# KiCad board sizif128.kicad_pcb (continued)
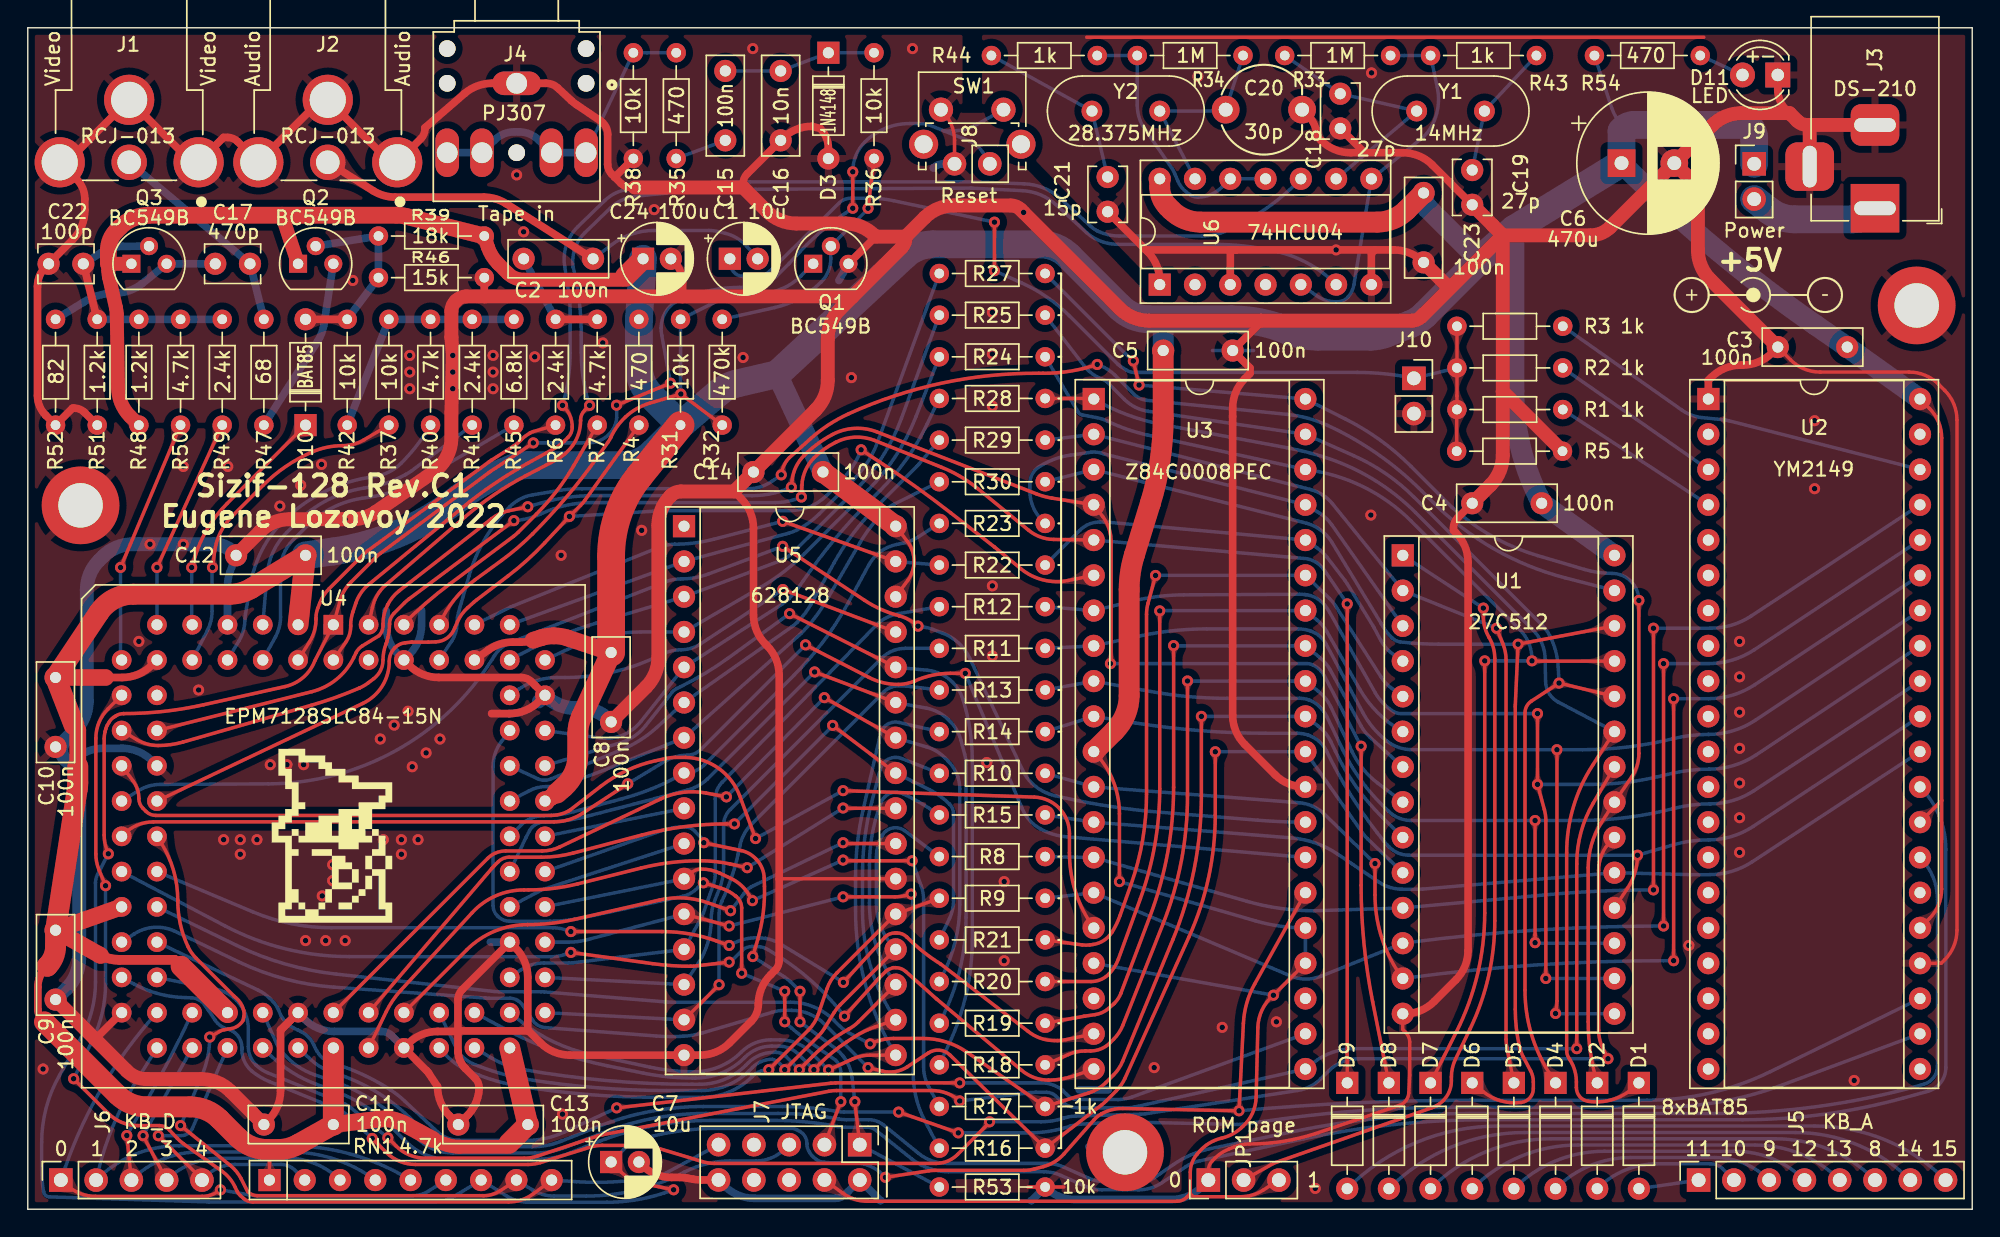
[diagram p0: board, top side]
## Copper pours and planes (outline as drawn; the poured copper is in the pictures) (continued)
Blue on Top: 13.51,48.2 13.44,47.96 13.39,47.75 13.35,47.56 13.3,47.24 13.26,47.1 13.22,46.95 13.16,46.8 13.08,46.63 12.97,46.45 13.27,46.03 13.68,46.35 13.62,46.55 13.57,46.73 13.54,46.89 13.52,47.04 13.52,47.19 13.54,47.34 13.57,47.51 13.61,47.68 13.68,47.89 13.75,48.12
Blue on Top: 24.87,55.66 25.01,55.74 25.14,55.79 25.25,55.82 25.36,55.82 25.46,55.82 25.56,55.81 25.67,55.8 25.78,55.78 25.91,55.78 26.06,55.78 26.3,56.66 25.42,56.87 25.34,56.74 25.28,56.63 25.24,56.52 25.2,56.42 25.16,56.32 25.12,56.23 25.06,56.14 24.98,56.06 24.88,55.97 24.74,55.88
Blue on Top: 22.89,54.88 23.34,54.93 23.71,55.01 24.02,55.11 24.29,55.22 24.54,55.34 24.79,55.45 25.04,55.57 25.32,55.66 25.65,55.74 26.05,55.78 26.3,56.66 25.42,56.87 25.21,56.55 25.01,56.26 24.83,56.01 24.64,55.8 24.44,55.62 24.22,55.46 23.96,55.34 23.66,55.24 23.3,55.18 22.87,55.13
Blue on Bottom: 12.38,40.88 12.3,40.74 12.21,40.62 12.13,40.54 12.04,40.47 11.95,40.42 11.86,40.38 11.76,40.33 11.65,40.28 11.54,40.21 11.41,40.13 11.68,39.24 12.55,39.54 12.55,39.69 12.53,39.82 12.51,39.94 12.49,40.05 12.48,40.15 12.47,40.26 12.47,40.36 12.49,40.48 12.53,40.61 12.6,40.77
Blue on Bottom: 12.71,41.51 12.58,41.28 12.47,41.09 12.36,40.94 12.25,40.81 12.15,40.69 12.03,40.59 11.9,40.49 11.76,40.38 11.6,40.27 11.41,40.13 11.68,39.24 12.55,39.54 12.55,39.77 12.56,39.97 12.56,40.15 12.57,40.31 12.58,40.47 12.61,40.62 12.66,40.78 12.72,40.96 12.81,41.16 12.93,41.4
Blue on Bottom: 13.39,45.02 13.39,45.17 13.4,45.29 13.41,45.39 13.42,45.49 13.44,45.57 13.46,45.66 13.49,45.74 13.53,45.82 13.58,45.92 13.65,46.02 13.32,46.42 12.93,46.08 13.01,45.86 13.05,45.76 13.08,45.68 13.1,45.59 13.12,45.5 13.13,45.41 13.14,45.3 13.14,45.17 13.14,45.02
Bright on Bottom: 33.86,55.67 34.01,55.74 34.14,55.79 34.25,55.82 34.36,55.83 34.46,55.82 34.56,55.81 34.66,55.8 34.78,55.78 34.91,55.78 35.06,55.78 35.3,56.66 34.42,56.87 34.34,56.74 34.28,56.63 34.24,56.52 34.2,56.42 34.16,56.33 34.12,56.24 34.06,56.15 33.98,56.06 33.87,55.97 33.74,55.89
Bright on Bottom: 33.26,55.32 33.48,55.44 33.68,55.54 33.85,55.61 34,55.66 34.15,55.7 34.3,55.73 34.46,55.74 34.63,55.75 34.83,55.77 35.06,55.78 35.3,56.66 34.42,56.87 34.29,56.68 34.19,56.52 34.09,56.37 34,56.24 33.91,56.12 33.8,56.01 33.68,55.9 33.53,55.79 33.35,55.66 33.13,55.53
Bright on Bottom: 17.49,40.87 17.41,40.72 17.32,40.61 17.23,40.53 17.14,40.47 17.05,40.42 16.96,40.38 16.86,40.33 16.75,40.28 16.63,40.22 16.51,40.14 16.75,39.25 17.63,39.52 17.63,39.68 17.62,39.81 17.6,39.92 17.59,40.03 17.57,40.14 17.56,40.24 17.57,40.35 17.59,40.47 17.64,40.6 17.71,40.75
Bright on Bottom: 18.07,42.59 18.05,42.19 18,41.85 17.92,41.56 17.81,41.31 17.67,41.1 17.5,40.9 17.3,40.72 17.07,40.54 16.8,40.35 16.51,40.14 16.75,39.25 17.63,39.54 17.66,39.92 17.71,40.23 17.79,40.51 17.88,40.76 17.98,40.99 18.07,41.23 18.16,41.5 18.24,41.8 18.3,42.16 18.32,42.58
CHROMA0 on Top: 7.03,47.37 6.97,47.24 6.92,47.13 6.87,47.03 6.82,46.95 6.77,46.88 6.72,46.81 6.66,46.75 6.59,46.68 6.51,46.61 6.42,46.53 6.6,46.04 7.08,46.25 7.07,46.37 7.07,46.48 7.07,46.57 7.07,46.66 7.08,46.75 7.1,46.83 7.13,46.92 7.16,47.02 7.2,47.14 7.26,47.27
CHROMA0 on Top: 10.3,54.51 10.41,54.74 10.5,54.93 10.6,55.09 10.69,55.23 10.79,55.35 10.89,55.46 11.01,55.57 11.14,55.68 11.29,55.81 11.46,55.95 11.14,56.8 10.3,56.44 10.31,56.22 10.33,56.02 10.34,55.85 10.34,55.69 10.34,55.54 10.32,55.39 10.29,55.22 10.24,55.04 10.17,54.84 10.07,54.6
CHROMA0 on Top: 10.58,55.15 10.65,55.3 10.72,55.41 10.8,55.5 10.87,55.57 10.96,55.63 11.05,55.68 11.14,55.73 11.24,55.79 11.35,55.86 11.46,55.95 11.14,56.8 10.3,56.44 10.32,56.3 10.34,56.17 10.37,56.06 10.4,55.95 10.42,55.86 10.44,55.76 10.44,55.65 10.43,55.53 10.4,55.4 10.35,55.25
CHROMA0 on Bottom: 6.56,41.69 6.55,41.42 6.54,41.2 6.51,41 6.47,40.84 6.43,40.68 6.38,40.53 6.32,40.38 6.25,40.21 6.17,40.02 6.09,39.8 6.8,39.21 7.36,39.94 7.24,40.13 7.14,40.3 7.05,40.45 6.98,40.59 6.92,40.73 6.88,40.87 6.84,41.04 6.82,41.22 6.81,41.44 6.81,41.69
CHROMA0 on Bottom: 6.81,45.03 6.81,45.18 6.81,45.3 6.82,45.41 6.83,45.5 6.85,45.59 6.87,45.67 6.9,45.75 6.94,45.84 6.99,45.94 7.04,46.05 6.68,46.42 6.32,46.05 6.37,45.94 6.42,45.84 6.46,45.75 6.49,45.67 6.51,45.59 6.53,45.5 6.54,45.41 6.55,45.3 6.55,45.18 6.56,45.03
CHROMA0 on Bottom: 6.56,40.98 6.55,40.81 6.53,40.66 6.49,40.54 6.45,40.44 6.39,40.35 6.27,40.16 6.21,40.06 6.15,39.94 6.09,39.8 6.8,39.21 7.36,39.94 7.28,40.06 7.2,40.16 7.12,40.25 7.05,40.32 6.98,40.4 6.92,40.48 6.87,40.58 6.84,40.69 6.81,40.82 6.81,40.98
CHROMA1 on Top: 9.68,47.36 9.62,47.23 9.57,47.12 9.51,47.03 9.46,46.95 9.41,46.87 9.36,46.81 9.29,46.75 9.22,46.68 9.14,46.61 9.05,46.53 9.22,46.04 9.7,46.23 9.7,46.36 9.7,46.47 9.7,46.56 9.71,46.65 9.72,46.73 9.74,46.82 9.77,46.91 9.8,47.01 9.85,47.12 9.91,47.25
CHROMA1 on Top: 13.53,55.16 13.61,55.31 13.69,55.42 13.76,55.51 13.85,55.58 13.93,55.63 14.02,55.68 14.12,55.73 14.22,55.78 14.33,55.85 14.45,55.94 14.15,56.8 13.3,56.47 13.31,56.32 13.33,56.19 13.35,56.08 13.38,55.97 13.4,55.87 13.42,55.77 13.42,55.67 13.4,55.55 13.37,55.42 13.31,55.27
CHROMA1 on Top: 13.24,54.53 13.35,54.76 13.46,54.95 13.55,55.11 13.65,55.24 13.75,55.36 13.86,55.46 13.98,55.57 14.12,55.68 14.27,55.8 14.45,55.94 14.15,56.8 13.3,56.47 13.31,56.24 13.31,56.04 13.32,55.87 13.32,55.71 13.31,55.56 13.29,55.41 13.25,55.25 13.2,55.07 13.12,54.87 13.02,54.63
CHROMA1 on Bottom: 9.17,43.52 9.17,43.35 9.14,43.22 9.11,43.1 9.06,43 9.01,42.92 8.94,42.83 8.87,42.75 8.8,42.65 8.73,42.54 8.66,42.41 9.3,41.74 9.94,42.41 9.87,42.54 9.8,42.65 9.73,42.75 9.66,42.83 9.59,42.92 9.54,43 9.49,43.1 9.46,43.22 9.43,43.35 9.42,43.52
CHROMA1 on Bottom: 9.17,44.23 9.17,43.97 9.16,43.75 9.13,43.56 9.1,43.4 9.05,43.25 9,43.1 8.93,42.95 8.85,42.8 8.76,42.62 8.66,42.41 9.3,41.74 9.94,42.41 9.84,42.62 9.75,42.8 9.67,42.95 9.6,43.1 9.55,43.25 9.5,43.4 9.47,43.56 9.44,43.75 9.43,43.97 9.42,44.23
CHROMA1 on Bottom: 9.42,45.03 9.43,45.18 9.43,45.3 9.44,45.41 9.45,45.5 9.47,45.59 9.49,45.67 9.52,45.75 9.56,45.84 9.61,45.94 9.66,46.05 9.3,46.42 8.94,46.05 8.99,45.94 9.04,45.84 9.08,45.75 9.11,45.67 9.13,45.59 9.15,45.5 9.16,45.41 9.17,45.3 9.17,45.18 9.17,45.03
CLK14 on Top: 39.93,56.82 39.93,56.96 39.95,57.07 39.99,57.16 40.04,57.24 40.11,57.3 40.18,57.36 40.27,57.4 40.36,57.44 40.47,57.48 40.58,57.52 40.59,58.04 40.05,57.89 40.04,57.76 40.01,57.65 39.97,57.56 39.92,57.47 39.86,57.39 39.81,57.3 39.75,57.21 39.71,57.1 39.68,56.97 39.68,56.82
CLK14 on Top: 25.33,44.69 25.12,44.42 24.95,44.18 24.82,43.96 24.71,43.76 24.62,43.58 24.54,43.39 24.44,43.21 24.32,43.01 24.18,42.79 23.99,42.55 24.46,41.75 25.23,42.27 25.16,42.54 25.1,42.79 25.05,43.02 25.02,43.23 25.02,43.43 25.04,43.63 25.1,43.84 25.19,44.05 25.33,44.28 25.52,44.53
CLK14 on Top: 24.93,44.07 24.82,43.84 24.73,43.66 24.64,43.5 24.57,43.36 24.49,43.23 24.41,43.11 24.33,42.99 24.23,42.86 24.12,42.71 23.98,42.54 24.46,41.75 25.23,42.27 25.18,42.47 25.12,42.65 25.07,42.81 25.02,42.96 24.99,43.1 24.97,43.24 24.98,43.39 25,43.56 25.06,43.75 25.16,43.96
CLK14 on Bottom: 92.91,67.53 93.05,67.42 93.15,67.31 93.23,67.2 93.27,67.09 93.31,66.98 93.33,66.86 93.35,66.74 93.37,66.61 93.4,66.46 93.46,66.31 94.49,66.33 94.43,67.37 94.26,67.41 94.11,67.43 93.98,67.45 93.85,67.46 93.73,67.46 93.61,67.48 93.49,67.51 93.36,67.56 93.21,67.63 93.05,67.73
CLK14 on Bottom: 40.01,59.03 40.04,58.89 40.07,58.76 40.09,58.65 40.1,58.56 40.1,58.47 40.1,58.38 40.1,58.29 40.09,58.2 40.07,58.09 40.05,57.96 40.51,57.71 40.74,58.17 40.66,58.26 40.59,58.34 40.53,58.42 40.47,58.49 40.43,58.56 40.39,58.64 40.35,58.73 40.32,58.83 40.29,58.95 40.26,59.08
CLK14 on Bottom: 92.24,67.95 92.48,67.8 92.68,67.67 92.83,67.53 92.96,67.39 93.06,67.25 93.14,67.1 93.22,66.94 93.29,66.75 93.37,66.54 93.46,66.31 94.49,66.33 94.43,67.37 94.17,67.44 93.75,67.56 93.58,67.61 93.41,67.67 93.24,67.73 93.06,67.81 92.86,67.9 92.63,68.02 92.36,68.17
CLK_PAL on Top: 23.12,42.17 23.13,41.83 23.1,41.54 23.03,41.3 22.93,41.09 22.79,40.91 22.61,40.76 22.41,40.61 22.18,40.47 21.93,40.33 21.65,40.18 21.8,39.27 22.71,39.63 22.7,39.95 22.74,40.22 22.82,40.45 22.93,40.65 23.04,40.85 23.16,41.06 23.26,41.28 23.34,41.53 23.38,41.83 23.36,42.19
CLK_PAL on Top: 39.25,56.93 39.21,57.08 39.17,57.21 39.13,57.31 39.09,57.41 39.03,57.58 38.99,57.67 38.96,57.77 38.92,57.88 38.89,58 38.37,58.05 38.35,57.53 38.45,57.49 38.55,57.45 38.63,57.4 38.7,57.36 38.77,57.31 38.83,57.25 38.88,57.18 38.93,57.09 38.97,56.99 39.01,56.86
CLK_PAL on Top: 22.71,40.8 22.61,40.66 22.51,40.57 22.42,40.49 22.32,40.44 22.23,40.4 22.13,40.37 22.02,40.33 21.91,40.3 21.79,40.25 21.65,40.18 21.8,39.27 22.7,39.45 22.72,39.6 22.72,39.73 22.72,39.85 22.71,39.96 22.71,40.06 22.71,40.17 22.73,40.27 22.77,40.39 22.83,40.51 22.92,40.65
CLK_PAL on Bottom: 89.96,72.51 90.2,72.69 90.4,72.84 90.59,72.95 90.75,73.05 90.92,73.12 91.08,73.19 91.25,73.25 91.44,73.31 91.66,73.38 91.91,73.46 91.95,74.5 90.91,74.49 90.82,74.25 90.75,74.03 90.69,73.84 90.62,73.67 90.55,73.52 90.46,73.36 90.35,73.21 90.21,73.06 90.03,72.89 89.8,72.71
CLK_PAL on Bottom: 90.58,73.02 90.73,73.14 90.87,73.23 90.99,73.28 91.11,73.32 91.23,73.34 91.34,73.35 91.47,73.37 91.6,73.38 91.75,73.41 91.91,73.46 91.95,74.5 90.91,74.49 90.86,74.33 90.83,74.18 90.81,74.05 90.8,73.92 90.78,73.81 90.75,73.69 90.71,73.58 90.65,73.46 90.55,73.34 90.42,73.21
CLKCPU on Top: 10.53,30.12 10.38,30.06 10.24,30.02 10.12,30 10.02,30 9.91,30.02 9.81,30.04 9.7,30.06 9.59,30.09 9.46,30.1 9.31,30.11 8.98,29.25 9.85,28.95 9.94,29.08 10.01,29.19 10.07,29.29 10.12,29.39 10.16,29.48 10.22,29.57 10.29,29.66 10.38,29.74 10.49,29.82 10.64,29.9
CLKCPU on Top: 42.88,54.71 43.04,54.91 43.17,55.08 43.3,55.22 43.42,55.33 43.54,55.42 43.67,55.51 43.81,55.59 43.96,55.67 44.13,55.76 44.33,55.86 44.2,56.76 43.31,56.6 43.27,56.38 43.24,56.18 43.21,56.01 43.18,55.86 43.15,55.71 43.1,55.56 43.03,55.41 42.94,55.25 42.82,55.07 42.68,54.86
CLKCPU on Top: 43.29,55.28 43.39,55.41 43.49,55.5 43.58,55.57 43.68,55.62 43.77,55.66 43.87,55.69 43.97,55.72 44.08,55.75 44.2,55.8 44.33,55.86 44.2,56.76 43.31,56.6 43.29,56.45 43.29,56.33 43.29,56.21 43.29,56.1 43.3,56 43.29,55.9 43.27,55.79 43.24,55.68 43.18,55.56 43.09,55.42
CLKCPU on Top: 38.28,48.95 38.38,49.05 38.46,49.14 38.54,49.21 38.62,49.27 38.69,49.32 38.76,49.36 38.84,49.4 38.93,49.44 39.03,49.48 39.14,49.53 39.14,50.05 38.62,50.02 38.58,49.9 38.55,49.8 38.51,49.71 38.48,49.63 38.44,49.55 38.39,49.48 38.34,49.4 38.27,49.32 38.19,49.22 38.09,49.12
CLKCPU on Top: 11.17,30.43 10.94,30.32 10.73,30.24 10.55,30.18 10.39,30.14 10.23,30.11 10.08,30.1 9.91,30.1 9.74,30.1 9.54,30.11 9.31,30.11 8.98,29.25 9.85,28.95 10,29.14 10.12,29.29 10.23,29.43 10.33,29.56 10.44,29.67 10.56,29.77 10.69,29.88 10.85,29.98 11.05,30.09 11.28,30.2
CLKCPU on Top: 40.18,51.4 40.06,51.19 39.94,51.02 39.84,50.87 39.73,50.75 39.62,50.65 39.51,50.56 39.38,50.48 39.23,50.42 39.06,50.35 38.87,50.28 38.86,49.76 39.38,49.77 39.46,49.97 39.54,50.13 39.62,50.27 39.72,50.39 39.81,50.5 39.92,50.61 40.02,50.74 40.14,50.89 40.26,51.06 40.39,51.27
CLKCPU on Top: 73.3,45.16 73.74,45.08 74.12,45.04 74.44,45.03 74.73,45.03 75,45.04 75.27,45.05 75.54,45.04 75.83,45.02 76.16,44.97 76.55,44.89 77.14,45.74 76.27,46.3 75.96,46.07 75.69,45.86 75.45,45.69 75.21,45.55 74.97,45.44 74.71,45.36 74.43,45.31 74.12,45.31 73.76,45.34 73.35,45.4
CLKCPU on Top: 61.06,54.15 60.94,54.23 60.84,54.31 60.76,54.37 60.69,54.43 60.63,54.49 60.57,54.56 60.52,54.63 60.46,54.71 60.41,54.8 60.34,54.91 59.83,54.81 59.95,54.31 60.07,54.29 60.18,54.27 60.27,54.26 60.36,54.24 60.44,54.21 60.52,54.18 60.61,54.14 60.7,54.09 60.8,54.02 60.93,53.94
CLKCPU on Top: 75.22,45.22 75.4,45.25 75.56,45.25 75.69,45.24 75.81,45.21 75.92,45.16 76.02,45.11 76.13,45.05 76.25,44.99 76.39,44.93 76.55,44.89 77.14,45.74 76.27,46.3 76.14,46.19 76.03,46.08 75.94,45.98 75.86,45.88 75.79,45.79 75.71,45.71 75.61,45.64 75.49,45.57 75.35,45.51 75.17,45.47
CLKCPU on Bottom: 40.18,50.1 40.04,50.09 39.91,50.09 39.81,50.09 39.71,50.1 39.63,50.11 39.54,50.13 39.46,50.15 39.37,50.18 39.27,50.22 39.15,50.27 38.8,49.89 39.2,49.55 39.3,49.61 39.4,49.66 39.49,49.71 39.57,49.74 39.65,49.77 39.73,49.79 39.82,49.81 39.93,49.83 40.05,49.84 40.2,49.85
CLKCPU on Bottom: 59.58,53.56 59.66,53.69 59.72,53.8 59.78,53.89 59.84,53.97 59.9,54.04 59.95,54.11 60.02,54.17 60.09,54.24 60.17,54.32 60.26,54.4 60.08,54.89 59.6,54.68 59.61,54.56 59.61,54.45 59.61,54.36 59.6,54.27 59.59,54.19 59.57,54.1 59.54,54.02 59.49,53.92 59.44,53.81 59.36,53.69
Csync on Top: 12.18,47.77 12.11,47.59 12,47.29 11.95,47.16 11.9,47.05 11.85,46.95 11.79,46.85 11.71,46.74 11.62,46.62 11.51,46.5 11.74,46.03 12.2,46.29 12.17,46.45 12.16,46.6 12.15,46.73 12.16,46.85 12.17,46.96 12.2,47.08 12.23,47.2 12.28,47.34 12.34,47.5 12.41,47.68
Csync on Top: 18.96,55.27 19.1,55.39 19.23,55.48 19.35,55.54 19.47,55.58 19.58,55.6 19.7,55.62 19.82,55.63 19.95,55.65 20.1,55.68 20.26,55.72 20.28,56.76 19.24,56.74 19.2,56.58 19.17,56.43 19.15,56.3 19.14,56.18 19.12,56.06 19.1,55.95 19.06,55.83 19,55.71 18.91,55.58 18.79,55.44
Csync on Top: 18.4,54.7 18.61,54.9 18.8,55.07 18.97,55.2 19.12,55.3 19.28,55.38 19.44,55.45 19.61,55.51 19.8,55.57 20.02,55.64 20.26,55.72 20.28,56.76 19.24,56.74 19.16,56.5 19.09,56.28 19.03,56.09 18.97,55.92 18.9,55.76 18.82,55.6 18.72,55.45 18.59,55.28 18.42,55.09 18.22,54.88
Csync on Bottom: 11.67,43.53 11.67,43.36 11.64,43.22 11.61,43.1 11.56,43 11.51,42.91 11.45,42.82 11.38,42.73 11.32,42.63 11.25,42.51 11.18,42.37 11.86,41.74 12.46,42.45 12.38,42.57 12.31,42.68 12.23,42.77 12.16,42.85 12.1,42.94 12.04,43.02 11.99,43.12 11.96,43.23 11.93,43.37 11.92,43.53
Csync on Bottom: 11.67,44.24 11.67,43.98 11.66,43.75 11.63,43.56 11.6,43.39 11.55,43.24 11.5,43.09 11.43,42.94 11.28,42.59 11.18,42.37 11.86,41.74 12.46,42.45 12.25,42.82 12.17,42.97 12.1,43.12 12.04,43.26 12,43.41 11.97,43.58 11.94,43.76 11.93,43.98 11.92,44.24
Csync on Bottom: 11.92,45.03 11.93,45.18 11.93,45.3 11.94,45.41 11.95,45.5 11.97,45.59 11.99,45.67 12.02,45.75 12.06,45.84 12.11,45.94 12.16,46.05 11.8,46.42 11.44,46.05 11.49,45.94 11.54,45.84 11.58,45.75 11.61,45.67 11.63,45.59 11.65,45.5 11.66,45.41 11.67,45.3 11.67,45.18 11.67,45.03
D0 on Top: 116.92,24.19 116.92,24.05 116.92,23.92 116.91,23.82 116.9,23.72 116.88,23.64 116.86,23.55 116.83,23.47 116.79,23.38 116.74,23.29 116.69,23.17 117.05,22.8 117.41,23.17 117.36,23.29 117.31,23.38 117.27,23.47 117.24,23.55 117.22,23.64 117.2,23.72 117.19,23.82 117.18,23.92 117.18,24.05 117.17,24.19
D0 on Top: 117.17,40.66 117.18,40.8 117.18,40.93 117.19,41.03 117.2,41.13 117.22,41.21 117.24,41.3 117.27,41.38 117.31,41.47 117.36,41.56 117.41,41.68 117.05,42.05 116.69,41.68 116.74,41.56 116.79,41.47 116.83,41.38 116.86,41.3 116.88,41.21 116.9,41.13 116.91,41.03 116.92,40.93 116.92,40.8 116.92,40.66
D0 on Bottom: 75.34,25.49 75.09,25.5 74.87,25.52 74.69,25.54 74.53,25.58 74.38,25.63 74.24,25.68 74.09,25.75 73.94,25.83 73.77,25.92 73.57,26.02 72.9,25.41 73.54,24.76 73.75,24.86 73.93,24.95 74.08,25.02 74.23,25.08 74.37,25.14 74.52,25.18 74.68,25.21 74.87,25.23 75.08,25.24 75.34,25.24
D0 on Bottom: 134.98,49.76 135.14,49.86 135.29,49.92 135.42,49.95 135.54,49.97 135.65,49.97 135.77,49.96 135.89,49.94 136.03,49.93 136.18,49.93 136.35,49.95 136.57,50.96 135.55,51.15 135.47,51 135.41,50.86 135.37,50.74 135.33,50.62 135.3,50.51 135.25,50.4 135.19,50.29 135.11,50.19 134.99,50.08 134.84,49.97
D0 on Bottom: 78.31,25.02 78.14,25.08 78,25.15 77.88,25.23 77.79,25.31 77.72,25.4 77.65,25.49 77.58,25.6 77.5,25.7 77.4,25.82 77.28,25.94 76.37,25.45 76.89,24.55 77.05,24.59 77.19,24.63 77.32,24.68 77.43,24.73 77.54,24.78 77.65,24.81 77.77,24.84 77.91,24.84 78.06,24.82 78.24,24.78
D0 on Bottom: 79.08,24.8 78.8,24.89 78.57,24.97 78.37,25.06 78.21,25.15 78.06,25.24 77.92,25.35 77.79,25.47 77.64,25.61 77.48,25.76 77.28,25.94 76.37,25.45 76.89,24.55 77.14,24.6 77.36,24.64 77.56,24.68 77.74,24.71 77.91,24.73 78.09,24.73 78.28,24.72 78.49,24.69 78.73,24.64 79.01,24.56
D0 on Bottom: 115.85,22.87 115.99,22.87 116.12,22.87 116.22,22.86 116.32,22.85 116.41,22.83 116.49,22.81 116.57,22.78 116.66,22.74 116.76,22.69 116.88,22.64 117.25,23 116.87,23.36 116.76,23.3 116.66,23.26 116.57,23.22 116.49,23.19 116.4,23.17 116.32,23.15 116.22,23.14 116.11,23.13 115.99,23.12 115.84,23.12
D0 on Bottom: 101.37,22.04 101.08,22.02 100.83,22.02 100.62,22.03 100.43,22.05 100.26,22.09 100.09,22.14 99.92,22.2 99.73,22.27 99.52,22.35 99.28,22.45 98.6,21.66 99.41,21.01 99.63,21.15 99.83,21.27 99.99,21.38 100.15,21.47 100.31,21.55 100.47,21.62 100.65,21.67 100.86,21.72 101.1,21.76 101.39,21.79
D0 on Bottom: 100.57,21.97 100.38,21.96 100.23,21.98 100.1,22.01 99.99,22.05 99.88,22.11 99.78,22.17 99.68,22.24 99.57,22.31 99.44,22.38 99.28,22.45 98.6,21.66 99.41,21.01 99.55,21.11 99.67,21.2 99.77,21.29 99.86,21.38 99.94,21.46 100.03,21.54 100.14,21.6 100.26,21.65 100.41,21.69 100.59,21.72
D0 on Bottom: 97.41,21.53 97.6,21.52 97.76,21.5 97.89,21.46 98,21.41 98.09,21.35 98.19,21.28 98.29,21.2 98.4,21.12 98.52,21.05 98.67,20.97 99.4,21.71 98.63,22.41 98.48,22.32 98.36,22.24 98.26,22.15 98.16,22.07 98.07,21.99 97.98,21.93 97.87,21.87 97.75,21.82 97.59,21.79 97.41,21.77
D0 on Bottom: 134.31,49.32 134.56,49.48 134.78,49.6 134.97,49.69 135.14,49.76 135.31,49.81 135.48,49.84 135.66,49.87 135.86,49.89 136.09,49.92 136.35,49.95 136.57,50.96 135.55,51.15 135.42,50.92 135.31,50.73 135.21,50.55 135.12,50.4 135.02,50.26 134.91,50.12 134.77,49.98 134.61,49.85 134.42,49.7 134.18,49.53
D0 on Bottom: 75.16,25.24 75.35,25.23 75.5,25.2 75.63,25.16 75.73,25.1 75.83,25.03 75.92,24.96 76.01,24.88 76.12,24.79 76.24,24.71 76.39,24.63 77.15,25.33 76.41,26.07 76.26,25.99 76.14,25.91 76.03,25.83 75.93,25.75 75.84,25.68 75.74,25.62 75.63,25.56 75.5,25.52 75.35,25.5 75.16,25.49
D0 on Bottom: 96.62,21.5 96.91,21.5 97.16,21.49 97.37,21.47 97.55,21.44 97.72,21.39 97.89,21.33 98.05,21.26 98.23,21.17 98.44,21.08 98.67,20.97 99.4,21.71 98.63,22.41 98.4,22.29 98.2,22.18 98.03,22.08 97.86,22 97.71,21.93 97.54,21.87 97.36,21.82 97.15,21.79 96.9,21.76 96.61,21.75
D0 on Bottom: 74.36,25.26 74.65,25.25 74.9,25.22 75.11,25.19 75.29,25.15 75.46,25.09 75.62,25.03 75.78,24.95 75.96,24.85 76.16,24.75 76.39,24.63 77.15,25.33 76.41,26.07 76.18,25.95 75.98,25.85 75.8,25.77 75.63,25.69 75.47,25.63 75.3,25.58 75.11,25.54 74.9,25.52 74.66,25.51 74.36,25.51
D0 on Bottom: 118.24,41.98 118.1,41.98 117.97,41.98 117.87,41.99 117.77,42 117.69,42.02 117.6,42.04 117.52,42.07 117.43,42.11 117.34,42.16 117.22,42.21 116.85,41.85 117.22,41.49 117.34,41.54 117.43,41.59 117.52,41.63 117.6,41.66 117.69,41.68 117.77,41.7 117.87,41.71 117.97,41.72 118.1,41.72 118.24,41.73
D0 on Bottom: 74.64,25.5 74.48,25.51 74.35,25.54 74.23,25.57 74.14,25.62 74.06,25.68 73.97,25.74 73.89,25.81 73.8,25.88 73.69,25.95 73.57,26.02 72.9,25.41 73.54,24.76 73.67,24.83 73.78,24.9 73.88,24.97 73.96,25.03 74.05,25.09 74.13,25.15 74.23,25.19 74.34,25.23 74.47,25.25 74.64,25.25
D1 on Top: 117.9,38.11 117.9,38.25 117.91,38.38 117.91,38.48 117.93,38.58 117.94,38.66 117.97,38.75 118,38.83 118.04,38.92 118.08,39.01 118.13,39.13 117.78,39.5 117.41,39.13 117.47,39.01 117.51,38.92 117.55,38.83 117.58,38.75 117.61,38.66 117.62,38.58 117.64,38.48 117.64,38.38 117.65,38.25 117.65,38.11
D1 on Top: 117.65,21.59 117.65,21.45 117.64,21.32 117.64,21.22 117.62,21.12 117.61,21.04 117.58,20.95 117.55,20.87 117.51,20.78 117.47,20.69 117.41,20.57 117.77,20.2 118.13,20.57 118.08,20.69 118.04,20.78 118,20.87 117.97,20.95 117.94,21.04 117.93,21.12 117.91,21.22 117.91,21.32 117.9,21.45 117.9,21.59
D1 on Bottom: 134.98,47.22 135.14,47.31 135.29,47.38 135.42,47.41 135.54,47.43 135.65,47.42 135.77,47.42 135.9,47.4 136.03,47.39 136.18,47.39 136.35,47.41 136.57,48.42 135.55,48.61 135.47,48.46 135.41,48.32 135.37,48.19 135.33,48.08 135.3,47.96 135.25,47.86 135.19,47.75 135.11,47.65 135,47.54 134.85,47.43
D1 on Bottom: 101.37,19.58 101.08,19.55 100.83,19.54 100.61,19.54 100.43,19.56 100.25,19.59 100.08,19.63 99.91,19.69 99.72,19.76 99.5,19.83 99.25,19.92 98.6,19.11 99.44,18.49 99.66,18.64 99.84,18.76 100.01,18.88 100.16,18.97 100.32,19.06 100.48,19.13 100.66,19.19 100.87,19.25 101.11,19.29 101.4,19.33
D1 on Bottom: 118.97,39.42 118.82,39.43 118.7,39.43 118.59,39.44 118.5,39.45 118.41,39.47 118.33,39.49 118.25,39.52 118.16,39.56 118.06,39.61 117.95,39.66 117.57,39.3 117.95,38.94 118.06,38.99 118.16,39.04 118.25,39.08 118.33,39.11 118.41,39.13 118.5,39.15 118.59,39.16 118.7,39.17 118.82,39.17 118.97,39.17
D1 on Bottom: 97.57,18.45 97.75,18.51 97.9,18.54 98.04,18.55 98.16,18.54 98.27,18.52 98.38,18.48 98.5,18.45 98.63,18.41 98.78,18.38 98.95,18.36 99.37,19.31 98.41,19.7 98.3,19.57 98.22,19.44 98.15,19.33 98.09,19.22 98.03,19.12 97.96,19.02 97.88,18.93 97.78,18.84 97.65,18.76 97.48,18.68
D1 on Bottom: 75.18,22.5 75.37,22.51 75.53,22.5 75.66,22.47 75.77,22.43 75.88,22.37 75.98,22.31 76.08,22.25 76.2,22.18 76.33,22.11 76.49,22.05 77.15,22.85 76.32,23.48 76.18,23.38 76.07,23.28 75.97,23.19 75.89,23.1 75.8,23.02 75.71,22.94 75.61,22.87 75.49,22.82 75.34,22.77 75.16,22.74
D1 on Bottom: 74.39,22.4 74.68,22.43 74.93,22.44 75.14,22.44 75.33,22.42 75.5,22.39 75.67,22.34 75.84,22.28 76.03,22.21 76.24,22.13 76.49,22.05 77.15,22.85 76.32,23.48 76.1,23.33 75.92,23.21 75.75,23.1 75.59,23 75.44,22.92 75.28,22.85 75.1,22.79 74.89,22.74 74.65,22.69 74.36,22.65
D1 on Bottom: 100.58,19.49 100.39,19.47 100.23,19.48 100.1,19.51 99.98,19.55 99.88,19.6 99.77,19.66 99.67,19.72 99.55,19.79 99.41,19.86 99.25,19.92 98.6,19.11 99.44,18.49 99.58,18.59 99.69,18.69 99.79,18.78 99.87,18.87 99.96,18.96 100.05,19.03 100.15,19.1 100.27,19.16 100.42,19.21 100.61,19.24
D1 on Bottom: 134.32,46.78 134.56,46.93 134.78,47.06 134.97,47.15 135.15,47.22 135.32,47.26 135.49,47.3 135.67,47.33 135.86,47.35 136.09,47.37 136.35,47.41 136.57,48.42 135.55,48.61 135.42,48.38 135.31,48.19 135.21,48.01 135.12,47.86 135.02,47.71 134.91,47.58 134.78,47.44 134.62,47.3 134.42,47.15 134.18,46.98
D1 on Bottom: 78.26,22.3 78.09,22.38 77.96,22.46 77.86,22.55 77.78,22.64 77.72,22.74 77.66,22.84 77.61,22.95 77.54,23.07 77.46,23.19 77.35,23.33 76.38,22.96 76.79,22 76.96,22.02 77.11,22.05 77.23,22.08 77.35,22.11 77.47,22.15 77.58,22.17 77.7,22.18 77.84,22.16 77.99,22.13 78.17,22.07
D1 on Bottom: 116.58,20.27 116.72,20.27 116.85,20.27 116.95,20.26 117.05,20.25 117.13,20.23 117.22,20.21 117.3,20.18 117.39,20.14 117.49,20.09 117.6,20.04 117.97,20.4 117.6,20.76 117.49,20.71 117.39,20.66 117.3,20.62 117.22,20.59 117.13,20.57 117.05,20.55 116.95,20.54 116.84,20.53 116.72,20.52 116.57,20.52
D1 on Bottom: 79,21.98 78.73,22.1 78.51,22.21 78.33,22.32 78.17,22.43 78.04,22.55 77.92,22.67 77.79,22.8 77.67,22.96 77.52,23.13 77.35,23.33 76.38,22.96 76.79,22 77.05,22.02 77.28,22.03 77.47,22.05 77.66,22.05 77.83,22.05 78.01,22.03 78.19,22 78.4,21.94 78.63,21.86 78.9,21.75
D1 on Bottom: 74.62,22.68 74.45,22.67 74.32,22.68 74.2,22.7 74.1,22.74 74.01,22.78 73.92,22.83 73.83,22.89 73.73,22.95 73.62,23.01 73.48,23.06 72.9,22.36 73.62,21.81 73.75,21.89 73.84,21.98 73.93,22.05 74,22.13 74.08,22.2 74.16,22.27 74.25,22.32 74.35,22.37 74.48,22.41 74.65,22.43
D1 on Bottom: 96.83,18.15 97.1,18.25 97.34,18.33 97.55,18.38 97.73,18.41 97.91,18.43 98.08,18.43 98.26,18.42 98.46,18.4 98.69,18.38 98.95,18.36 99.37,19.31 98.41,19.7 98.23,19.5 98.09,19.33 97.96,19.18 97.83,19.05 97.71,18.93 97.57,18.82 97.41,18.71 97.23,18.6 97.01,18.5 96.74,18.38
D1 on Bottom: 75.31,22.76 75.06,22.74 74.84,22.73 74.66,22.73 74.49,22.74 74.34,22.77 74.19,22.81 74.04,22.86 73.88,22.92 73.69,22.98 73.48,23.06 72.9,22.36 73.62,21.81 73.82,21.93 73.98,22.04 74.12,22.13 74.26,22.21 74.4,22.28 74.54,22.35 74.69,22.4 74.87,22.44 75.09,22.48 75.34,22.51
D2 on Top: 118.62,35.58 118.63,35.73 118.63,35.85 118.64,35.96 118.65,36.05 118.67,36.14 118.69,36.22 118.72,36.3 118.76,36.39 118.81,36.49 118.86,36.6 118.5,36.97 118.14,36.6 118.19,36.49 118.24,36.39 118.28,36.3 118.31,36.22 118.33,36.14 118.35,36.05 118.36,35.96 118.37,35.85 118.37,35.73 118.38,35.58
D2 on Top: 98.04,17.91 98.12,17.74 98.17,17.58 98.2,17.45 98.21,17.32 98.21,17.2 98.2,17.08 98.19,16.96 98.19,16.83 98.19,16.67 98.21,16.5 99.23,16.29 99.4,17.31 99.25,17.39 99.11,17.44 98.98,17.49 98.86,17.52 98.75,17.56 98.65,17.61 98.55,17.67 98.45,17.76 98.35,17.87 98.26,18.03
D2 on Top: 118.38,19.09 118.37,18.95 118.37,18.82 118.36,18.72 118.35,18.62 118.33,18.54 118.31,18.45 118.28,18.37 118.24,18.28 118.19,18.19 118.14,18.07 118.5,17.7 118.86,18.07 118.81,18.19 118.76,18.28 118.72,18.37 118.69,18.45 118.67,18.54 118.65,18.62 118.64,18.72 118.63,18.82 118.63,18.95 118.62,19.09
D2 on Top: 97.69,18.65 97.81,18.37 97.9,18.13 97.97,17.92 98.02,17.73 98.06,17.55 98.09,17.38 98.11,17.2 98.17,16.77 98.21,16.5 99.23,16.29 99.4,17.31 99.17,17.44 98.98,17.55 98.81,17.64 98.65,17.74 98.51,17.84 98.39,17.96 98.27,18.1 98.15,18.28 98.04,18.49 97.92,18.74
D2 on Top: 97.12,23.71 97.13,23.85 97.13,23.98 97.14,24.08 97.15,24.18 97.17,24.26 97.19,24.35 97.22,24.43 97.26,24.52 97.31,24.61 97.36,24.73 97,25.1 96.64,24.73 96.69,24.61 96.74,24.52 96.78,24.43 96.81,24.35 96.83,24.26 96.85,24.18 96.86,24.08 96.87,23.98 96.87,23.85 96.88,23.71